# KiCad board hdmi-edid-board.kicad_pcb (continued)
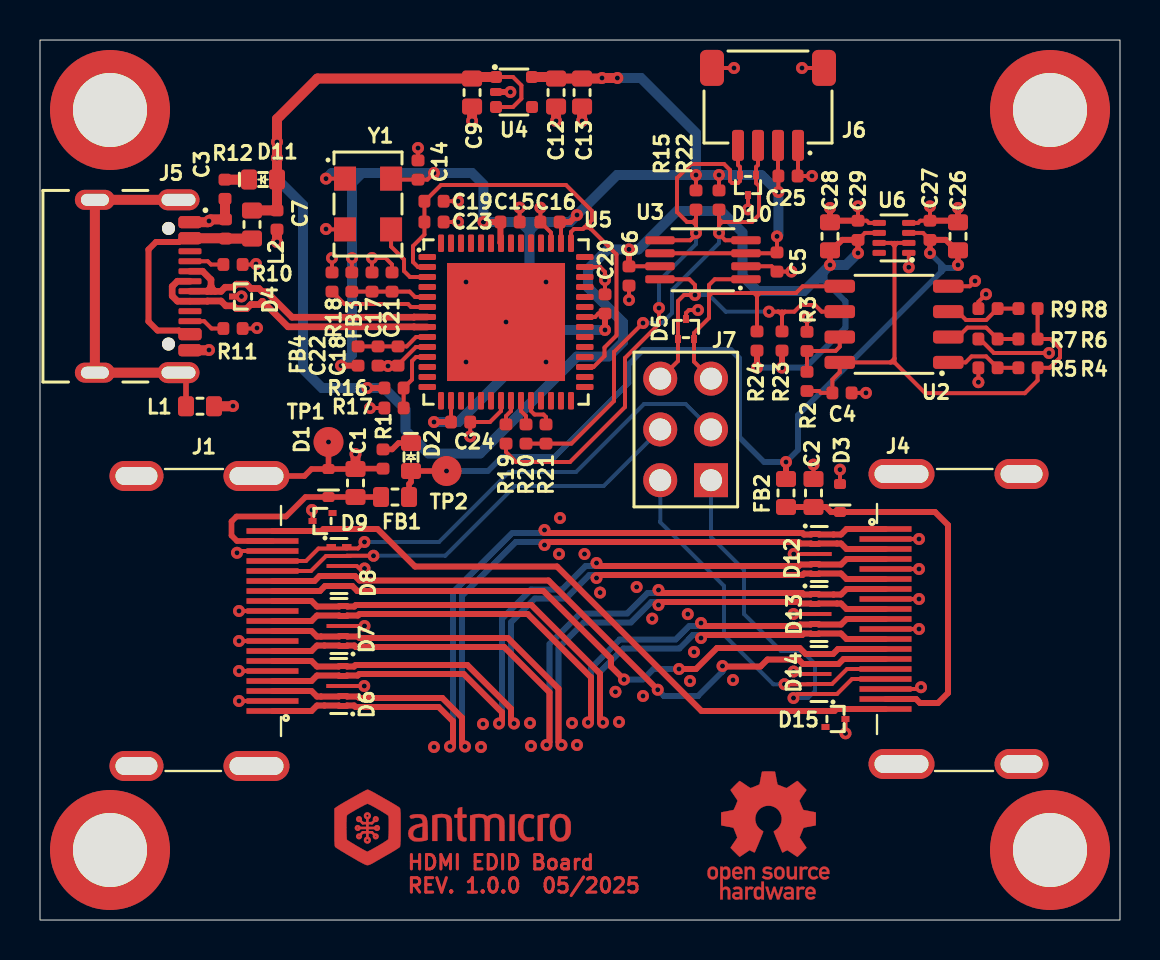
[diagram p0: board, top side]
## Library data of the parts (continued)
R18 = -: Datasheet: https://www.bourns.com/docs/product-datasheets/cr.pdf; Manufacturer: Bourns; MPN: CR0402-FX-1202GLF; Val: 12k; License: Apache-2.0; Author: Antmicro; Tolerance: 1%; Public: False; Field12: Author: Antmicro; Field13: License: Apache-2.0
R19 R20 = -: Datasheet: https://industrial.panasonic.com/cdbs/www-data/pdf/RDA0000/AOA0000C301.pdf; Description: SMD Chip Resistor, Jumper, 0 ohm, 100 mW, 0402 [1005 Metric], Thick Film, General Purpose; MPN: ERJ2GE0R00X; Manufacturer: Panasonic; License: Apache-2.0; Author: Antmicro; Val: 0R; Current: 1A; Field11: License: Apache-2.0; Field13: Author: Antmicro
R21 = -: Datasheet: https://industrial.panasonic.com/cdbs/www-data/pdf/RDA0000/AOA0000C301.pdf; Description: SMD Chip Resistor, Jumper, 0 ohm, 100 mW, 0402 [1005 Metric], Thick Film, General Purpose; MPN: ERJ2GE0R00X; Manufacturer: Panasonic; License: Apache-2.0; Author: Antmicro; Val: 0R; Current: 1A; Field11: Author: Antmicro; Field12: License: Apache-2.0
R22 R24 = -: Datasheet: https://www.bourns.com/docs/product-datasheets/cr.pdf; Description: SMD Chip Resistor, 4.7 kohm, ± 1%, 62.5 mW, 0402 [1005 Metric], Thick Film, General Purpose; MPN: CR0402-FX-4701GLF; Manufacturer: Bourns; License: Apache-2.0; Author: Antmicro; Val: 4k7; Tolerance: 1%; Field10: License: Apache-2.0; Field12: Author: Antmicro
R23 = -: Datasheet: https://www.bourns.com/docs/product-datasheets/cr.pdf; Description: SMD Chip Resistor, 4.7 kohm, ± 1%, 62.5 mW, 0402 [1005 Metric], Thick Film, General Purpose; MPN: CR0402-FX-4701GLF; Manufacturer: Bourns; License: Apache-2.0; Author: Antmicro; Val: 4k7; Tolerance: 1%; Field10: License: Apache-2.0; Field11: Author: Antmicro
REF** = -: Field5: License: Apache-2.0; Field6: Author: Antmicro
REF**#2 = -: Field4: License: Apache-2.0; Field5: Author: Antmicro
TP1 = -: Description: test point, SMT; Author: Antmicro; License: Apache-2.0; Field8: Author: Antmicro; Field10: License: Apache-2.0
TP2 = -: Description: test point, SMT; Author: Antmicro; License: Apache-2.0; Field8: Author: Antmicro; Field9: License: Apache-2.0
U2 = -: Datasheet: https://www.mouser.com/datasheet/2/268/24AA024_24LC024_24AA025_24LC025_2_Kbit_I2C_Serial_-3005761.pdf; Description: EEPROM, 2 Kbit, 256 x 8bit, Serial I2C (2-Wire), 400 kHz, SOIC, 8 Pins; Manufacturer: Microchip Technology; Author: Antmicro; License: Apache-2.0; Field9: Author: Antmicro; Field11: License: Apache-2.0
U3 = -: Datasheet: https://www.mouser.com/datasheet/2/302/NTS0102-1127324.pdf; Description: Transceiver, 1.65 V to 3.6 V, TSSOP-8; MPN: NTS0102DP; Manufacturer: NXP; Author: Antmicro; License: Apache-2.0; Field9: Author: Antmicro; Field10: License: Apache-2.0
U4 = -: Datasheet: https://www.ti.com/general/docs/suppproductinfo.tsp?distId=26&gotoUrl=http%3A%2F%2Fwww.ti.com%2Flit%2Fgpn%2Ftlv700; MPN: TLV70033DCKR; Manufacturer: Texas Instruments; Author: Antmicro; License: Apache-2.0; Field9: License: Apache-2.0; Field10: Author: Antmicro
U5 = -: Datasheet: https://ftdichip.com/wp-content/uploads/2024/09/DS_FT4232H.pdf; Description: Interface Bridges, USB to UART, MPSSE, 1.62 V, 1.98 V, VQFN, 56 Pins, -40 °C; Manufacturer: FTDI Chip; MPN: FT4232H-56Q-REEL; Author: Antmicro; License: Apache-2.0; Field8: Author: Antmicro; Field10: License: Apache-2.0
U6 = -: Datasheet: https://www.ti.com/lit/ds/symlink/tps2117.pdf; Description: TPS2117 1.6-V to 5.5-V, 4-A Low IQ Power Mux With Manual and Priority Switchover; Manufacturer: Texas Instruments; Author: Antmicro; License: Apache-2.0; Field8: License: Apache-2.0; Field9: Author: Antmicro; ki_fp_filters: DRL0008A-MFG
Y1 = -: Datasheet: https://www.mouser.com/datasheet/2/3/ASFLMB-24525.pdf; MPN: ASFLMB-12.000MHZ-LC-T; Manufacturer: Abracon; Author: Antmicro; License: Apache-2.0; Val: 12 MHz; Public: False; Field10: Author: Antmicro; Field12: License: Apache-2.0

## Footprints (pads in the part's own frame, mm; a bottom-side part is the same pattern mirrored in y, then rotated)
C_0402_1005Metric
  rrect 0.59x0.64 smd: 1(-0.48,0) 2(0.48,0)
C_0603_1608Metric
  rrect 0.8x1 smd: 1(-0.7,0) 2(0.7,0)
Conn_JST_SH_1x4_SM04B-SRSS-TB-LF-SN
  rrect 0.6x1.55 smd: 1(-1.5,2.12) 2(-0.5,2.12) 3(0.5,2.12) 4(1.5,2.12)
  rrect 1.2x1.8 smd: MP(-2.8,-1.755) MP(2.8,-1.755)
FB_0402_1005Metric
  rrect 0.59x0.64 smd: 1(-0.48,0) 2(0.48,0)
FB_0603_1608Metric
  rrect 0.8x1 smd: 1(-0.7,0) 2(0.7,0)
HDMI-A_Receptacle_WE_685119134923
  rect 0.28x2.6 smd: 1(-4.55,-5.224) 2(-4.05,-5.224) 3(-3.551,-5.224) 4(-3.051,-5.224) 5(-2.551,-5.224) 6(-2.05,-5.224) 7(-1.551,-5.224) 8(-1.051,-5.224) 9(-0.551,-5.224) 10(-0.051,-5.224) 11(0.45,-5.224) 12(0.95,-5.224) 13(1.449,-5.224) 14(1.949,-5.224) 15(2.45,-5.224) 16(2.95,-5.224) 17(3.45,-5.224) 18(3.95,-5.224) 19(4.45,-5.224)
  oval 1.5x2.7 hole 0.9x2.1: SH(-7.3,1.577) SH(7.2,1.577)
  oval 1.5x3.3 hole 0.9x2.7: SH(-7.3,-4.424) SH(7.2,-4.424)
LED_0603_1608Metric_G
  rrect 0.8x1 smd: 1(-0.7,0) 2(0.7,0)
Nexperia_DFN-10_2.5x1mm_P0.5mm
  rect 0.2x0.475 smd: 1(-1,-0.388) 2(-0.5,-0.388) 3(0,-0.388) 4(0.5,-0.388) 5(1,-0.388) 6(1,0.388) 7(0.5,0.388) 8(0,0.388) 9(-0.501,0.388) 10(-1,0.388)
Oscillator_SMD_Abracon_ASFLMB_5x3.2x0.85mm
  rect 1.1x1.2 smd: 1(-1.049,1.17) 2(-1.049,-1.369) 3(1.252,-1.369) 4(1.252,1.17)
PinHeader_2x3_P2.54mm_Drill1.1mm
  rect 1.7x1.7 hole 1.1: 1(0,0)
  oval 1.7x1.7 hole 1.1: 2(2.539,0) 3(0,-2.539) 4(2.539,-2.539) 5(0,-5.078) 6(2.539,-5.078)
QFN-56-1EP_8x8mm_P0.5mm
  rrect 1.13x1.13 smd: (-2.101,2.101) (-2.101,0.7) (-2.101,-0.699) (-2.101,-2.1) (-0.7,2.101) (-0.7,0.7) (-0.7,-0.699) (-0.7,-2.1) (0.699,2.101) (0.699,0.7) (0.699,-0.699) (0.699,-2.1) (2.1,2.101) (2.1,0.7) (2.1,-0.699) (2.1,-2.1)
  rrect 0.875x0.3 smd: 1(-3.938,3.25) 2(-3.938,2.75) 3(-3.938,2.25) 4(-3.938,1.75) 5(-3.938,1.25) 6(-3.938,0.75) 7(-3.938,0.25) 8(-3.938,-0.249) 9(-3.938,-0.749) 10(-3.938,-1.249) 11(-3.938,-1.749) 12(-3.938,-2.249) 13(-3.938,-2.749) 14(-3.938,-3.249) 29(3.937,-3.249) 30(3.937,-2.749) 31(3.937,-2.249) 32(3.937,-1.749) 33(3.937,-1.249) 34(3.937,-0.749) 35(3.937,-0.249) 36(3.937,0.25) 37(3.937,0.75) 38(3.937,1.25) 39(3.937,1.75) 40(3.937,2.25) 41(3.937,2.75) 42(3.937,3.25)
  rrect 0.3x0.875 smd: 15(-3.25,-3.937) 16(-2.75,-3.937) 17(-2.25,-3.937) 18(-1.75,-3.937) 19(-1.25,-3.937) 20(-0.75,-3.937) 21(-0.25,-3.937) 22(0.249,-3.937) 23(0.749,-3.937) 24(1.249,-3.937) 25(1.749,-3.937) 26(2.249,-3.937) 27(2.749,-3.937) 28(3.249,-3.937) 43(3.249,3.938) 44(2.749,3.938) 45(2.249,3.938) 46(1.749,3.938) 47(1.249,3.938) 48(0.749,3.938) 49(0.249,3.938) 50(-0.25,3.938) 51(-0.75,3.938) 52(-1.25,3.938) 53(-1.75,3.938) 54(-2.25,3.938) 55(-2.75,3.938) 56(-3.25,3.938)
  rect 5.9x5.9 smd: 57(0,0)
R_0402_1005Metric
  rrect 0.59x0.64 smd: 1(-0.48,0) 2(0.48,0)
SC-70-5
  rrect 0.6x0.6 smd: 1(-0.756,-0.893) 3(0.743,-0.893) 4(0.743,0.907) 5(-0.756,0.907)
  rrect 0.4x0.6 smd: 2(-0.006,-0.893)
SOD-523
  rrect 0.5x0.6 smd: 1(-0.701,0) 2(0.699,0)
SOIC-8_3.9x4.9x1.75mm_P1.27mm
  rrect 1.525x0.65 smd: 1(-2.714,1.905) 2(-2.714,0.635) 3(-2.714,-0.632) 4(-2.714,-1.902) 5(2.712,-1.902) 6(2.712,-0.632) 7(2.712,0.635) 8(2.712,1.905)
SOT-583
  rrect 0.67x0.3 smd: 1(-0.739,0.75) 2(-0.739,0.251) 3(-0.739,-0.249) 4(-0.739,-0.75) 5(0.74,-0.75) 6(0.74,-0.249) 7(0.74,0.251) 8(0.74,0.75)
SOT-723
  rect 0.4x0.3 smd: 1(-0.501,0.401) 2(-0.501,-0.399) 3(0.499,0.001)
Spacer_Drill3.7mm_H5mm_9774050151R
  custom 2.563x2.563 smd: (-1.7,-1.7) (-1.7,1.7) (1.7,-1.7) (1.7,1.7)
  round 6 hole 3.7: 1(0,0)
TP_SMD_1.5mm
  round 1.5 smd: 1(0,0)
TSSOP-8_3x3mm_P0.65mm
  rrect 1.47x0.4 smd: 1(-2.148,0.962) 2(-2.148,0.313) 3(-2.148,-0.338) 4(-2.148,-0.987) 5(2.151,-0.987) 6(2.151,-0.338) 7(2.151,0.313) 8(2.151,0.962)
USB-C_Receptacle_GCT_USB4105-GF-A
  round 0.65 hole 0.65 unplated: (-2.891,2.426) (2.89,2.426)
  rrect 0.6x1.15 smd: A1(-3.202,3.5) A4(-2.4,3.5) A9(2.398,3.5) A12(3.2,3.5) B1(3.2,3.5) B4(2.398,3.5) B9(-2.4,3.5) B12(-3.202,3.5)
  rrect 0.3x1.15 smd: A5(-1.25,3.5) A6(-0.25,3.5) A7(0.248,3.5) A8(1.249,3.5) B5(1.749,3.5) B6(0.748,3.5) B7(-0.75,3.5) B8(-1.75,3.5)
  oval 1.05x2.1 hole 0.6x1.7: SH(-4.321,2.926) SH(4.32,2.926)
  oval 1x2 hole 0.6x1.4: SH(-4.321,-1.255) SH(4.32,-1.255)

## Nets
+3V3: C5.1 C12.1 C13.1 C14.1 C15.1 C16.1 C20.1 C24.1 C25.2 FB3.1 FB4.1 J6.2 R15.2 R22.2 U3.3 U3.6 U4.5 U5.16 U5.36 U5.44 U5.50 Y1.1 Y1.4
+5V: C6.1 C7.1 C9.1 C28.2 C29.2 D11.2 L2.1 R16.2 R23.2 R24.2 U3.7 U4.1 U4.3 U6.6
GND: C1.1 C2.1 C3.2 C4.1 C5.2 C6.2 C7.2 C9.2 C12.2 C13.2 C14.2 C15.2 C16.2 C17.2 C18.1 C19.2 C20.2 C21.2 C22.1 C23.2 C24.2 C25.1 C26.1 C27.1 C28.1 C29.1 D1.2 D3.2 D4.3 D5.3 D6.3 D6.8 D7.3 D7.8 D8.3 D8.8 D9.3 D10.3 D12.3 D12.8 D13.3 D13.8 D14.3 D14.8 D15.3 H1.1 H2.1 H3.1 H4.1 J1.2 J1.5 J1.8 J1.11 J1.17 J1.SH J4.2 J4.5 J4.8 J4.11 J4.17 J4.SH J5.A1 J5.A12 J5.B1 J5.B12 J6.1 J6.MP L1.2 R1.1 R3.1 R5.1 R7.1 R9.1 R10.2 R11.2 R12.2 R17.1 R18.2 TP1.1 U2.4 U3.2 U4.2 U5.10 U5.21 U5.41 U5.45 U5.57 U6.1 U6.4 U6.5 Y1.2
GNDREF: J5.SH L1.1
/A0: R4.1 R5.2 U2.1
/A1: R6.1 R7.2 U2.2
/A2: R8.1 R9.2 U2.3
/EEPROM_5V: C4.2 R2.2 R4.2 R6.2 R8.2 U2.8 U6.2 U6.7
/EEPROM_SCL: D5.1 J7.6 R23.1 U2.6 U3.8
/EEPROM_SDA: D5.2 J7.5 R24.1 U2.5 U3.1
/HDMI_5V: C26.2 C27.2 D2.2 FB1.2 FB2.1 TP2.1 U6.3
/HDMI_CEC: D8.5 D8.6 D14.5 D14.6 J1.13 J4.13
/HDMI_CK_N: D7.5 D7.6 D13.5 D13.6 J1.12 J4.12
/HDMI_CK_P: D7.4 D7.7 D13.4 D13.7 J1.10 J4.10
/HDMI_D0_N: D7.2 D7.9 D13.2 D13.9 J1.9 J4.9
/HDMI_D0_P: D7.1 D7.10 D13.1 D13.10 J1.7 J4.7
/HDMI_D1_N: D6.5 D6.6 D12.5 D12.6 J1.6 J4.6
/HDMI_D1_P: D6.4 D6.7 D12.4 D12.7 J1.4 J4.4
/HDMI_D2_N: D6.2 D6.9 D12.2 D12.9 J1.3 J4.3
/HDMI_D2_P: D6.1 D6.10 D12.1 D12.10 J1.1 J4.1
/HDMI_HPD: D9.1 D15.1 J1.19 J4.19
/HDMI_UTIL: D8.4 D8.7 D14.4 D14.7 J1.14 J4.14
/OSCI: U5.3 Y1.3
/SCL: D10.2 J6.4 R15.1 R19.2 U3.5
/SDA: D10.1 J6.3 R20.2 R21.2 R22.1 U3.4
/SINK_5V: C2.2 D3.1 FB2.2 J4.18
/SINK_SCL: D14.2 D14.9 J4.15 J7.2
/SINK_SDA: D14.1 D14.10 J4.16 J7.1
/SOURCE_5V: C1.2 D1.1 FB1.1 J1.18
/SOURCE_SCL: D8.2 D8.9 J1.15 J7.4
/SOURCE_SDA: D8.1 D8.10 J1.16 J7.3
/USB_D_N: D4.2 J5.A7 J5.B7 U5.7
/USB_D_P: D4.1 J5.A6 J5.B6 U5.8
/VPHY: C17.1 C21.1 FB3.2 U5.5
/VPLL: C18.2 C22.2 FB4.2 U5.9
/VREGOUT: C19.1 C23.1 U5.2 U5.31 U5.43
/WP: R2.1 R3.2 U2.7
/~{RESET}: R16.1 R17.2 U5.11
Net-(C3-Pad1): C3.1 J5.A4 J5.A9 J5.B4 J5.B9 L2.2
Net-(D2-C): D2.1 R1.2
Net-(D11-C): D11.1 R12.1
Net-(J5-CC_{1}): J5.A5 R10.1
Net-(J5-CC_{2}): J5.B5 R11.1
Net-(U5-BDBUS0): R19.1 U5.22
Net-(U5-BDBUS1): R20.1 U5.23
Net-(U5-BDBUS2): R21.1 U5.24
Net-(U5-REF): R18.1 U5.6

Pads without a net: D9 2; D15 2; J5 A8 B8; U4 4; U5 1 4 12 13 14 15 17 18 19 20 25 26 27 28 29 30 32 33 34 35 37 38 39 40 42 46 47 48 49 51 52 53 54 55 56; U6 8

## Via types
v1: diameter 0.6, hole 0.25, Top to Bottom, 144 vias

## Routing (per net, layer and track width the routed paths; a pad name or vN(x,y) marks a point on that pad's centre or on a via; arc(x,y) is an arc through that point)
+3V3: length 93.2
  Top w0.2: U5.16 C24.1 ; C20.1 27.92,30.32 27.75,30.15 U5.36 ; v1(36.85,34.18) C5.1 36.81,33.34 U3.3 U3.6 ; FB3.1 15.59,33.09 v1(15.6,33.1) ; v1(19.7,37.35) 19.37,37.02 C14.1 17.6,37.02 Y1.4 ; v1(32.8,37.25) 32.8,36.48 ; 25.98,34.9 26.05,34.83 U5.44 ; v1(14.3,37.07) Y1.1 ; v1(33.95,37.25) 33.95,36.48 ; v1(36.92,36.4) C25.2 36.9,37.22 J6.2
  Top w0.3: v1(15.05,27.72) FB4.1 ; U5.50 23.02,33.87 C15.1 v1(22.17,34.9) ; 25.98,34.9 26.5,34.9 v1(26.85,35.25) ; v1(28.25,29.5) 28.25,30.35 ; v1(19.7,24.9) C24.1
  Top w0.5: v1(28.87,42.1) v1(28.1,42.1) 28.07,42.07 C13.1 C12.1 25.73,42.15 U4.5
  Bottom w0.5: 15.6,36.85 15.6,36.95 15.2,37.35 ; 15.6,36.85 15.6,37.27 15.52,37.35 ; 15.6,36.85 v1(15.6,33.1) 15.6,28.27 v1(15.05,27.72) ; 15.6,36.85 16.05,37.3 16.05,37.35 ; v1(36.85,34.18) 36.92,34.25 v1(36.92,36.4) 36.07,37.25 v1(33.95,37.25) v1(32.8,37.25) ; 24.47,34.47 24.47,34.9 ; 24.47,34.47 24.48,34.47 24.9,34.9 ; 24.47,34.47 24.45,34.47 24.02,34.9 ; 24.47,34.47 24.47,29.88 ; 24.47,34.9 24.02,34.9 ; 24.47,34.9 24.9,34.9 ; 24.82,29.5 24.47,29.85 24.47,29.88 ; 24.82,29.5 28.3,29.5 ; 24.82,29.5 24.5,29.5 24.47,29.47 ; 24.82,29.5 24.47,29.15 24.47,29.12 ; 24.02,34.9 v1(22.17,34.9) 22.17,36.78 21.6,37.35 v1(19.7,37.35) 16.05,37.35 ; 15.2,37.35 14.58,37.35 v1(14.3,37.07) ; 15.2,37.35 15.52,37.35 ; v1(28.87,42.1) 30.05,42.1 32.8,39.35 v1(32.8,37.25) ; 16.05,37.35 15.52,37.35 ; 24.47,29.12 24.47,29.47 ; 24.47,29.12 24.47,28.45 20.92,24.9 v1(19.7,24.9) ; 24.47,29.47 24.47,29.88 ; 24.9,34.9 26.5,34.9 v1(26.85,35.25) 28.85,37.25 v1(32.8,37.25)
+5V: length 95.2
  Top w0.2: U6.6 41.25,34.35 C29.2 ; U4.3 23.65,40.65 24.07,41.07 24.07,41.73 23.65,42.15 U4.1 ; U3.7 29.41,32.69
  Top w0.28: v1(39.5,32.75) C28.2 ; v1(40.9,33.35) C29.2
  Top w0.3: C29.2 40.1,34 39.58,33.48 C28.2 ; v1(35.85,27.62) 35.85,28.47 ; v1(29.45,33.53) C6.1 ; v1(37.1,27.62) 37.1,28.47 ; v1(16.37,26.6) R16.2
  Top w0.5: 11.85,35.55 11.85,40.05 13.87,42.07 C9.1 21.68,42.15 U4.1 ; 11.85,35.48 10.6,35.48
  Bottom w0.3: v1(39.5,32.75) 39.16,32.41 39.24,32.34 39.24,31.96 ; 39.24,31.96 38.71,31.96 ; 39.24,31.96 40.27,30.92 40.27,29.62 38.27,27.62 v1(37.1,27.62) v1(35.85,27.62)
  Bottom w0.5: v1(11.85,38.9) v1(11.85,38.1) 11.85,37.05 13.15,35.75 13.15,27.55 14.1,26.6 v1(16.37,26.6) 17.2,26.6 18.27,25.52 18.27,24.47 19.42,23.32 22,23.32 26.85,28.17 28.42,28.17 29.15,28.9 29.15,29.88 27.4,31.62 27.4,32.55 28.38,33.53 29.93,33.53 31.85,35.45 34.05,35.45 35.12,34.38 35.12,32.2 35.88,31.45 38.2,31.45 v1(39.5,32.75) 40.3,32.75 v1(40.9,33.35)
GND: length 90.6
  Top w0.2: R18.2 14.6,33.1 v1(14.6,33.1) ; J1.2 v1(9.95,10.95) ; J1.17 9.94,18.45 v1(9.85,18.36) ; J6.MP 39.19,42.6 v1(38.1,42.6) ; C2.1 38.67,22.77 ; C14.2 18.9,38.6 v1(18.9,38.6) ; 21.51,24.18 C24.2 22.5,24.9 23.05,25.45 U5.21 ; U5.10 18.8,28.65 17.9,27.75 C18.1 C22.1 ; D14.3 38.06,12.3 37.94,12.42 ; D12.8 37.95,18.3 ; v1(9.95,12.45) 9.95,12.45 J1.5 ; C6.2 29.45,31 ; U6.5 41.45,34.85 41.33,34.96 C29.1 40.9,35.68 ; J4.17 43.96,11.55 v1(44.05,11.64) ; v1(9.95,13.95) 9.95,13.95 J1.8 ; v1(34.7,42.6) 33.6,42.6 J6.MP ; D3.2 40,22.52 ; D4.3 10.07,31.17 v1(10.07,31.18) ; v1(46.75,31.95) 46.49,31.69 U2.4 ; v1(10.8,32.8) 10.77,32.77 R10.2 ; D15.3 40.27,9.33 ; v1(43.95,17.55) 43.95,17.55 J4.5 ; R7.1 46.99,29.05 47.69,28.35 v1(50.45,28.35) ; D10.3 35.4,35.53 ; C20.2 28.25,32 ; U5.41 28,32.65 28,32.65 28.25,32.4 v1(28.25,32) ; R17.1 v1(16.5,25.6) ; 23.98,34.9 23.98,35.62 ; J1.11 v1(9.95,15.45) ; 38.6,37.2 C25.1 37.9,37.22 J6.1 ; C4.1 v1(41.3,26.35) ; C17.2 16.6,33.1 ; U6.4 43.9,34.85 44.01,34.96 C27.1 44.5,35.68 ; U5.45 25.55,34.37 C16.2 25.02,35.62 ; v1(20.9,34.9) 20.9,34.9 C23.2 ; 15.96,17.57 15.84,17.7 D8.3 ; J4.8 v1(43.95,16.05) ; v1(13.6,20.5) 13.63,20.47 D9.3 ; D13.8 37.94,15.3 ; Y1.2 14.32,34.53 v1(14.3,34.55) ; D5.3 32.3,30.35 32.45,30.5 v1(32.9,30.5) ; 37.57,32.42 C5.2 36.58,32.69 U3.2 ; v1(47.3,31.29) 46.92,30.91 R9.1 ; D6.8 15.95,11.7 ; J4.11 v1(43.95,14.55) ; v1(10.85,29.6) 10.82,29.57 R11.2 ; R5.1 46.92,26.89 ; C21.2 17.6,32.77 17.27,33.1 v1(16.6,33.1) ; R3.1 38.35,30.13 ; D7.8 15.96,14.7 ; C19.2 20.9,35.94 ; U6.1 43.44,32.64 ; 42.28,19.05 v1(43.95,19.05)
  Top w0.28: v1(14.42,23.9) D1.2 ; D1.2 13.57,22.55 13.22,22.2 10.82,22.2 ; D1.2 14.43,22.55 C1.1 15.79,22.57 R1.1
  Top w0.3: v1(39.5,35.6) 39.5,35.6 C28.1 39.58,34.96 C29.1 ; v1(45.9,35.6) 45.9,35.6 C26.1 45.82,34.96 C27.1 ; U4.2 23.52,41.4
  Top w0.5: v1(15.77,23.3) C1.1 ; L1.2 9.64,25.69 ; C13.2 27.1,39.95 ; 7.5,34.89 8.39,34.89 v1(8.45,34.95) 8.53,35.03 C3.2 9.25,35.05 R12.2 ; C7.2 v1(11.85,33.9) ; v1(8.45,28.5) 8.44,28.49 J5.A12 ; C9.2 21.6,39.95 ; C12.2 25.8,39.95
  vias: v1(9.65,25.7) v1(16.22,17.57) v1(16.22,14.7) v1(16.21,11.7) v1(17.4,27.7) v1(19.7,8.65) v1(20.9,35.94) v1(21.3,31.9) v1(21.3,27.9) v1(21.51,24.18) v1(21.6,39.95) v1(22.05,8.65) v1(22.15,9.8) v1(23.3,29.9) v1(23.52,41.4) v1(23.98,35.62) v1(24.5,9.85) v1(24.55,8.7) v1(25.02,35.62) v1(25.3,31.9) v1(25.3,27.9) v1(25.8,39.95) v1(25.95,18.3) v1(26,20.1) v1(26.6,9.85) v1(26.85,8.75) v1(27.1,39.95) v1(27.22,18.3) v1(28,16.37) v1(28.77,11.41) v1(28.95,9.9) v1(29.45,31) v1(29.83,16.65) v1(30.15,11.2) v1(30.61,15.07) v1(32.39,15.3) v1(32.5,11.95) v1(32.7,13.4) v1(34.65,12) v1(35.4,35.53) v1(37.57,32.42) v1(37.69,18.3) v1(37.67,15.3) v1(37.67,12.42) v1(38.35,30.13) v1(38.6,37.2) v1(38.67,22.77) v1(40,22.52) v1(40.27,9.33) v1(40.9,35.68) v1(43.44,32.64) v1(44.5,35.68) v1(46.92,26.89)
GNDREF: length 18.8
  Top w0.28: J5.SH 7.3,26.99 L1.1
  Top w0.5: J5.SH J5.SH J5.SH J5.SH
/A0: length 3.9
  Top w0.2: R4.1 R5.2 47.31,28.18 46.58,28.18 46.28,27.88 U2.1
/A1: length 3.9
  Top w0.2: R6.1 R7.2 47.31,29.62 46.37,29.62 45.9,29.15 U2.2
/A2: length 3.9
  Top w0.2: R8.1 47.88,30.57 47.31,30 46.3,30 45.88,30.42 U2.3
/EEPROM_5V: length 27.2
  Top w0.2: 42.72,28.07 42.72,27.88 ; 42.72,28.07 42.72,33.7 ; 42.72,28.07 42.53,27.88 42.52,27.88 ; 42.72,27.88 42.52,27.88 ; 42.72,27.88 44.26,26.34 49.24,26.34 49.88,26.98 R4.2 50.49,27.61 51,28.12 51,28.58 50.53,29.05 R6.2 49.88,29.05 49.88,30.57 ; 42.55,33.85 42.57,33.85 42.72,33.7 ; 42.55,33.85 42.72,33.85 ; 42.55,33.85 U6.7 ; 42.52,27.88 U2.8 39.99,27.39 39.62,27.02 C4.2 39.04,26.35 38.95,26.45 R2.2 ; 42.72,33.7 42.72,33.85 ; 42.72,33.7 42.72,33.7 42.88,33.85 ; 42.72,33.85 42.88,33.85 ; 42.88,33.85 U6.2
/EEPROM_SCL: length 16.9
  Top w0.2: 37.1,30.25 37.1,30.27 37.25,30.42 ; 37.1,30.25 R23.1 ; 37.1,30.25 36.93,30.42 36.9,30.42 ; 37.1,30.25 37.1,30.42 ; v1(36.45,30.42) 36.9,30.42 ; 36.9,30.42 37.1,30.42 ; U3.8 32.46,32.04 32.75,31.75 v1(32.75,31.25) 32.2,31.25 31.9,30.95 D5.1 31.9,27.95 31.02,27.07 J7.6 ; 37.1,30.42 37.25,30.42 ; 37.25,30.42 37.72,30.42 38.05,30.75 38.75,30.75 39.08,30.42 U2.6
  Bottom w0.2: v1(32.75,31.25) 33.45,31.25 34.28,30.42 v1(36.45,30.42)
/EEPROM_SDA: length 16.8
  Top w0.2: 33.6,31.35 33.45,31.35 ; 33.6,31.35 33.45,31.5 ; 33.6,31.35 35.65,31.35 ; 33.6,31.35 33.45,31.2 ; 33.45,31.35 33.45,31.2 ; 33.45,31.35 33.45,31.5 ; 33.45,31.5 33.45,31.75 33.74,32.04 U3.1 ; 36,31.35 35.85,31.2 ; 36,31.35 37.8,31.35 38.14,31.69 U2.5 ; 36,31.35 35.85,31.35 ; 35.85,31.2 35.7,31.35 35.65,31.35 ; 35.85,31.2 35.85,31.35 ; 35.85,31.2 R24.1 ; 35.65,31.35 35.85,31.35 ; J7.5 32.7,27.92 D5.2 32.7,29.35 33.45,30.1 33.45,31.2
/HDMI_5V: length 47.9
  Top w0.2: 44.5,34 44.15,34.35 U6.3
  Top w0.28: v1(45.9,32.75) 45.9,33.48 ; v1(20.32,22.45) 18.55,22.45 D2.2 18.55,21.9 18.45,21.8 FB1.2 ; v1(44.5,33.35) 44.5,34
  Top w0.3: 44.5,34 45.29,34 45.81,33.48 ; v1(37.3,22.9) FB2.1
  Bottom w0.28: 45.25,32.6 45.75,32.6 v1(45.9,32.75) ; 45.25,32.6 45.07,32.42 ; 45.25,32.6 45.05,32.8 ; 45.07,32.42 45.05,32.45 45.05,32.8 ; 45.07,32.42 37.9,25.25 37.9,23.5 v1(37.3,22.9) 36.2,22.9 34.95,24.15 34.95,28.1 34.55,28.5 30.15,28.5 29.42,27.77 29.42,26.85 25.72,23.15 23.1,23.15 22.4,22.45 v1(20.32,22.45) ; 45.05,32.8 v1(44.5,33.35)
/HDMI_CEC: length 33.8
  Top w0.3: v1(31.95,12.55) 32.8,12.55 33.85,13.6 37.98,13.6 38.28,13.3 39.65,13.3 39.9,13.55 J4.13 ; v1(29.2,12.03) 28.55,12.67 28.55,13.07 25.17,16.45 15.87,16.45 15.62,16.7 14.25,16.7 14,16.45 J1.13
  Bottom w0.3: v1(29.2,12.03) 30.15,12.03 30.67,12.55 v1(31.95,12.55)
/HDMI_CK_N: length 38.4
  Top w0.3: D7.5 14.98,15.7 14.96,15.67 13.85,15.67 13.57,15.95 J1.12 ; v1(33.05,14.1) 33.2,14.25 36.47,14.25 36.48,14.25 38.11,14.25 38.18,14.32 38.54,14.32 D13.5 38.92,14.3 38.94,14.32 40.05,14.32 40.33,14.05 42.28,14.05 ; 15.34,15.7 15.36,15.68 15.72,15.68 15.79,15.75 17.42,15.75 17.42,15.75 24.57,15.75 28,12.32 28,10.02 v1(28.15,9.88)
  Bottom w0.3: v1(28.15,9.88) 28,10.02 28,12.41 29.17,13.57 31.97,13.57 32.64,14.25 32.9,14.25 v1(33.05,14.1)
/HDMI_CK_P: length 38.4
  Top w0.3: 42.28,15.05 40.33,15.05 40.05,14.77 38.94,14.77 38.92,14.8 D13.4 38.54,14.77 38,14.77 37.92,14.7 36.48,14.7 36.47,14.7 33.2,14.7 v1(33.05,14.85) ; v1(27.4,9.88) 27.55,10.02 27.55,12.13 24.38,15.3 17.42,15.3 17.42,15.3 15.98,15.3 15.9,15.22 15.36,15.22 D7.4 14.98,15.2 14.96,15.22 13.85,15.22 13.57,14.95 11.62,14.95
  Bottom w0.3: v1(27.4,9.88) 27.55,10.02 27.55,12.59 28.98,14.03 31.78,14.03 32.46,14.7 32.9,14.7 v1(33.05,14.85)
/HDMI_D0_N: length 40.9
  Top w0.3: v1(26.07,8.75) 25.93,8.9 25.93,11.57 23.39,14.1 17.35,14.1 17.35,14.1 15.98,14.1 15.9,14.17 15.36,14.17 D7.2 14.98,14.2 14.96,14.17 14.05,14.17 13.85,14.17 13.57,14.45 J1.9 ; v1(30.92,15.75) 31.07,15.9 36.55,15.9 37.92,15.9 38,15.82 38.54,15.82 D13.2 38.92,15.8 38.94,15.82 39.85,15.82 39.85,15.82 40.05,15.82 40.33,15.55 J4.9
  Bottom w0.3: v1(26.07,8.75) 25.93,8.9 25.93,13.61 27.19,14.88 29.54,14.88 30.57,15.9 30.78,15.9 v1(30.92,15.75)
/HDMI_D0_P: length 40.9
  Top w0.3: J1.7 13.57,13.45 13.85,13.72 14.22,13.72 14.22,13.72 14.96,13.72 14.98,13.7 D7.1 15.36,13.72 15.72,13.72 15.79,13.65 17.35,13.65 23.21,13.65 25.47,11.38 25.47,8.9 v1(25.32,8.75) ; J4.7 40.33,16.55 40.05,16.28 39.68,16.28 39.68,16.27 38.94,16.27 38.92,16.3 D13.1 38.54,16.27 38.18,16.27 38.11,16.35 36.55,16.35 31.07,16.35 v1(30.92,16.5)
  Bottom w0.3: v1(25.32,8.75) 25.47,8.9 25.47,13.79 27.01,15.32 29.36,15.32 30.38,16.35 30.78,16.35 v1(30.92,16.5)
/HDMI_D1_N: length 38.9
  Top w0.3: v1(23.7,9.82) 23.55,9.97 23.55,10.57 21.37,12.75 17.41,12.75 15.78,12.75 15.7,12.68 15.35,12.68 D6.5 14.97,12.7 14.94,12.67 13.85,12.67 13.57,12.95 J1.6 ; 42.28,17.05 40.33,17.05 40.05,17.32 38.96,17.32 38.93,17.3 D12.5 38.55,17.32 38.2,17.32 38.12,17.25 36.49,17.25 27.97,17.25 v1(27.82,17.1)
  Bottom w0.3: v1(23.7,9.82) 23.55,9.97 23.55,14.88 24.74,16.07 26.29,16.07 27.47,17.25 27.68,17.25 v1(27.82,17.1)
/HDMI_D1_P: length 38.9
  Top w0.3: v1(22.95,9.82) 23.1,9.97 23.1,10.38 21.18,12.3 17.41,12.3 15.96,12.3 15.89,12.23 15.35,12.22 15.32,12.2 ; 11.62,11.95 13.57,11.95 13.85,12.22 14.94,12.22 14.97,12.2 D6.4 ; v1(27.82,17.85) 27.97,17.7 36.49,17.7 37.94,17.7 38.01,17.77 38.55,17.77 38.58,17.8 ; D12.4 38.93,17.8 38.96,17.77 40.05,17.77 40.33,18.05 42.28,18.05
  Bottom w0.3: v1(22.95,9.82) 23.1,9.97 23.1,15.07 24.56,16.53 26.11,16.53 27.28,17.7 27.68,17.7 v1(27.82,17.85)
/HDMI_D2_N: length 41.7
  Top w0.3: 42.28,18.55 40.33,18.55 40.05,18.82 39.85,18.83 39.85,18.82 38.96,18.82 38.93,18.8 D12.2 ; v1(21.25,8.67) 21.1,8.82 21.1,10.12 20.12,11.1 17.34,11.1 17.34,11.1 15.96,11.1 15.89,11.17 15.35,11.17 15.32,11.2 ; v1(25.22,18.75) 25.37,18.9 36.56,18.9 37.94,18.9 38.01,18.82 38.55,18.82 38.58,18.8 ; D6.2 14.97,11.2 14.94,11.17 14.05,11.17 13.85,11.17 13.57,11.45 J1.3
  Bottom w0.3: v1(25.22,18.75) 25.08,18.9 23.79,18.9 21.1,16.21 21.1,8.82 v1(21.25,8.67)
/HDMI_D2_P: length 41.7
  Top w0.3: 42.28,19.55 40.33,19.55 40.05,19.28 39.68,19.28 39.68,19.27 38.96,19.27 38.93,19.3 D12.1 38.55,19.27 38.2,19.27 38.12,19.35 36.56,19.35 25.37,19.35 v1(25.22,19.5) ; 11.62,10.45 13.57,10.45 13.85,10.72 14.22,10.72 14.22,10.72 14.94,10.72 14.97,10.7 D6.1 15.35,10.72 15.7,10.72 15.78,10.65 17.34,10.65 19.93,10.65 20.65,9.93 20.65,8.82 v1(20.5,8.67)
  Bottom w0.3: v1(20.5,8.67) 20.65,8.82 20.65,16.39 23.61,19.35 25.08,19.35 v1(25.22,19.5)
/HDMI_HPD: length 34.5
  Top w0.3: J1.19 14.07,19.45 14.17,19.55 D9.1 16.88,19.55 18.75,17.67 25.85,17.67 33.07,10.45 D15.1 39.73,10.45 39.82,10.55 J4.19
/HDMI_UTIL: length 34.4
  Top w0.3: v1(34.12,12.7) 34.15,12.67 36.02,12.67 36.37,13.02 37.92,13.02 38.15,12.8 D14.7 39.93,12.8 40.18,13.05 J4.14 ; v1(30.89,11.51) 25.42,16.97 15.98,16.97 15.75,17.2 D8.7 13.97,17.2 13.72,16.95 J1.14
  Bottom w0.3: v1(30.89,11.51) 31.2,11.2 32.9,11.2 34.12,12.42 v1(34.12,12.7)
/OSCI: length 3.6
  Top w0.2: Y1.3 17.55,33.67 18.2,33.02 18.2,32.45 18.5,32.15 U5.3
/SCL: length 30.4
  Top w0.2: 32.65,34.9 32.8,34.9 ; 32.65,34.9 32.35,34.9 31.85,35.4 31.85,37.1 32.55,37.8 34.2,37.8 34.5,37.5 34.5,36.95 34.6,36.85 34.9,36.85 35,36.95 D10.2 35,37.65 34.9,37.75 J6.4 ; 32.65,34.9 32.8,35.05 32.8,35.1 ; 32.65,34.9 32.8,34.75 ; 32.8,34.9 32.8,35.1 ; 32.8,34.9 32.8,34.75 ; R19.2 23.3,23.4 23.8,22.9 26.5,22.9 29.25,25.65 29.25,28.1 30.95,29.8 v1(30.95,30.6) ; 32.8,35.1 R15.1 ; U3.5 32.51,33.99 32.8,34.27 32.8,34.75
  Bottom w0.2: v1(32.8,34.35) 32.8,33.8 30.95,31.95 v1(30.95,30.6)
/SDA: length 25.3
  Top w0.2: J6.3 35.9,37.75 35.8,37.65 D10.1 35.8,36.85 35.95,36.7 35.95,35.25 35.6,34.9 34.1,34.9 ; v1(30.15,29.85) 28.7,28.4 28.7,25.95 26.57,23.82 R21.2 R20.2 ; 33.95,35.1 R22.1 ; 33.95,35.1 33.95,35.05 34.1,34.9 ; 33.95,35.1 33.95,34.9 ; 33.95,34.75 33.95,34.9 ; 33.95,34.75 33.95,34.3 34.26,33.99 U3.4 ; 33.95,34.75 34.1,34.9 ; 33.95,34.9 34.1,34.9
  Bottom w0.2: v1(33.95,34.35) 33.95,33.85 31.6,31.5 31.6,30.35 31.1,29.85 v1(30.15,29.85)
/SINK_5V: length 20.3
  Top w0.3: J4.18 43.8,11.05 44,10.85 44.9,10.85 45.4,11.35 45.4,19.75 44.75,20.4 D3.1 39.55,20.4 39.3,20.65 C2.2 FB2.2
/SINK_SCL: length 18.5
  Top w0.2: 42.28,12.55 40.35,12.55 39.6,11.8 38.56,11.8 D14.9 38.55,11.79 v1(37.22,11.79)
  Bottom w0.2: v1(37.22,11.79) 36.66,11.79 34.2,14.25 34.2,16.7 31.01,19.89 J7.2
/SINK_SDA: length 19.5
  Top w0.2: 42.28,12.05 40.6,12.05 39.85,11.3 37.88,11.3 v1(37.67,11.1)
  Bottom w0.2: J7.1 33.55,19.15 35.2,17.5 35.2,15.3 37.05,13.45 38.1,13.45 38.75,12.8 38.75,11.45 38.4,11.1 v1(37.67,11.1)
/SOURCE_5V: length 10.8
  Top w0.28: J1.18 9.85,18.95 9.57,19.22 9.57,19.92 9.82,20.17 12.3,20.17 13.27,21.15 D1.1 15.77,21.15 C1.2 17.05,21.15 FB1.1
/SOURCE_SCL: length 22.3
  Top w0.2: v1(16.67,18.21) 15.35,18.21 D8.9 14.56,18.2 D8.2 14.3,18.2 13.55,17.45 J1.15
  Bottom w0.2: v1(16.67,18.21) 20.26,18.21 23.75,21.7 28.18,21.7 J7.4
/SOURCE_SDA: length 25.7
  Top w0.2: v1(16.22,18.9) 15.9,18.58 15.34,18.58 ; J1.16 13.3,17.95 13.92,18.57 15.34,18.57
  Bottom w0.2: J7.3 32.28,25.8 30.2,25.8 26.8,22.4 23.45,22.4 19.95,18.9 v1(16.22,18.9)
/USB_D_N: length 15.2
  Top w0.33: 8.75,31.43 8.55,31.63 8.55,31.7 ; 8.75,31.43 8.55,31.43 ; 8.75,31.43 9.05,31.43 9.26,31.64 9.66,31.64 9.82,31.79 10.33,31.79 10.55,31.57 D4.2 10.95,31.57 11.11,31.41 11.33,31.41 12.6,30.14 18.7,30.14 18.71,30.15 U5.7 ; 8.55,31.7 8.55,32.02 8.13,32.44 J5.B7 ; 8.55,31.7 8.55,31.63 8.36,31.44 ; 8.55,31.7 8.55,31.43 ; 8.55,31.43 8.37,31.43 8.36,31.44 ; 8.36,31.44 J5.A7
/USB_D_P: length 15.2
  Top w0.33: U5.8 18.71,29.65 18.7,29.66 12.4,29.66 11.13,30.93 11.11,30.93 10.95,30.77 D4.1 10.54,30.77 10.33,30.56 9.82,30.56 9.67,30.71 9.29,30.71 9.05,30.95 8.37,30.95 8.36,30.94 J5.B6 6.87,30.94 6.61,31.2 6.61,31.68 6.87,31.94 J5.A6
/VPHY: length 3.9
  Top w0.2: FB3.2 18.48,31.42 18.75,31.15 U5.5
/VPLL: length 3.7
  Top w0.2: FB4.2 C18.2 18.33,28.68 18.8,29.15 U5.9
/VREGOUT: length 24.9
  Top w0.2: 27.47,34.62 27.22,34.62 ; 27.47,34.62 27.47,34.88 27.5,34.9 ; 27.47,34.62 27.54,34.56 ; 27.22,34.62 27.35,34.75 ; 27.22,34.62 27.15,34.55 26.7,34.55 26.55,34.4 U5.43 ; 27.54,34.56 28.82,33.27 28.82,29.22 28.22,28.62 28.22,28.2 27.68,27.65 U5.31 ; 27.54,34.56 27.35,34.75 ; 27.5,34.9 27.35,34.75 ; 27.5,34.9 27.6,35 27.6,35.45 26.3,36.75 20.05,36.75 19.24,35.94 C19.1 19.22,34.27 18.65,33.7 18.65,32.9 18.9,32.65 U5.2
/WP: length 3.3
  Top w0.2: U2.7 39.99,28.66 39.78,28.45 39.21,28.45 39.21,28.45 R3.2 R2.1
/~{RESET}: length 3.4
  Top w0.2: R17.2 R16.1 18.6,27.02 18.6,27.95 18.8,28.15 U5.11
Net-(C3-Pad1): length 11.4
  Top w0.3: J5.A4 7.14,34.09 6.95,33.9 5.8,33.9 5.42,33.52 5.42,29.92 5.88,29.47 6.95,29.47 7.13,29.29 J5.A9
  Top w0.5: L2.2 10.59,34.07 C3.1 9.26,34.09 J5.A4
Net-(D2-C): length 1.5
  Top w0.28: D2.1 17.93,23.85 17.61,23.53 R1.2
Net-(D11-C): length 1.2
  Top w0.5: R12.1 10.44,37.02 D11.1
